# Altium PCB IRVT-001.PcbDoc (part 4 of 4)
Units mm, origin at the board's own origin, x right, y up, seen from the top; angles counter-clockwise.
Board outline 180 x 180 mm, 4 copper layers (Top Layer, Ground Plane, Power & Signal, Bottom Layer), stack 1.397 mm thick; 910 components, 520 nets, 2483 pads, 116 vias.
Unrouted connection lines stored in the file: 1841.
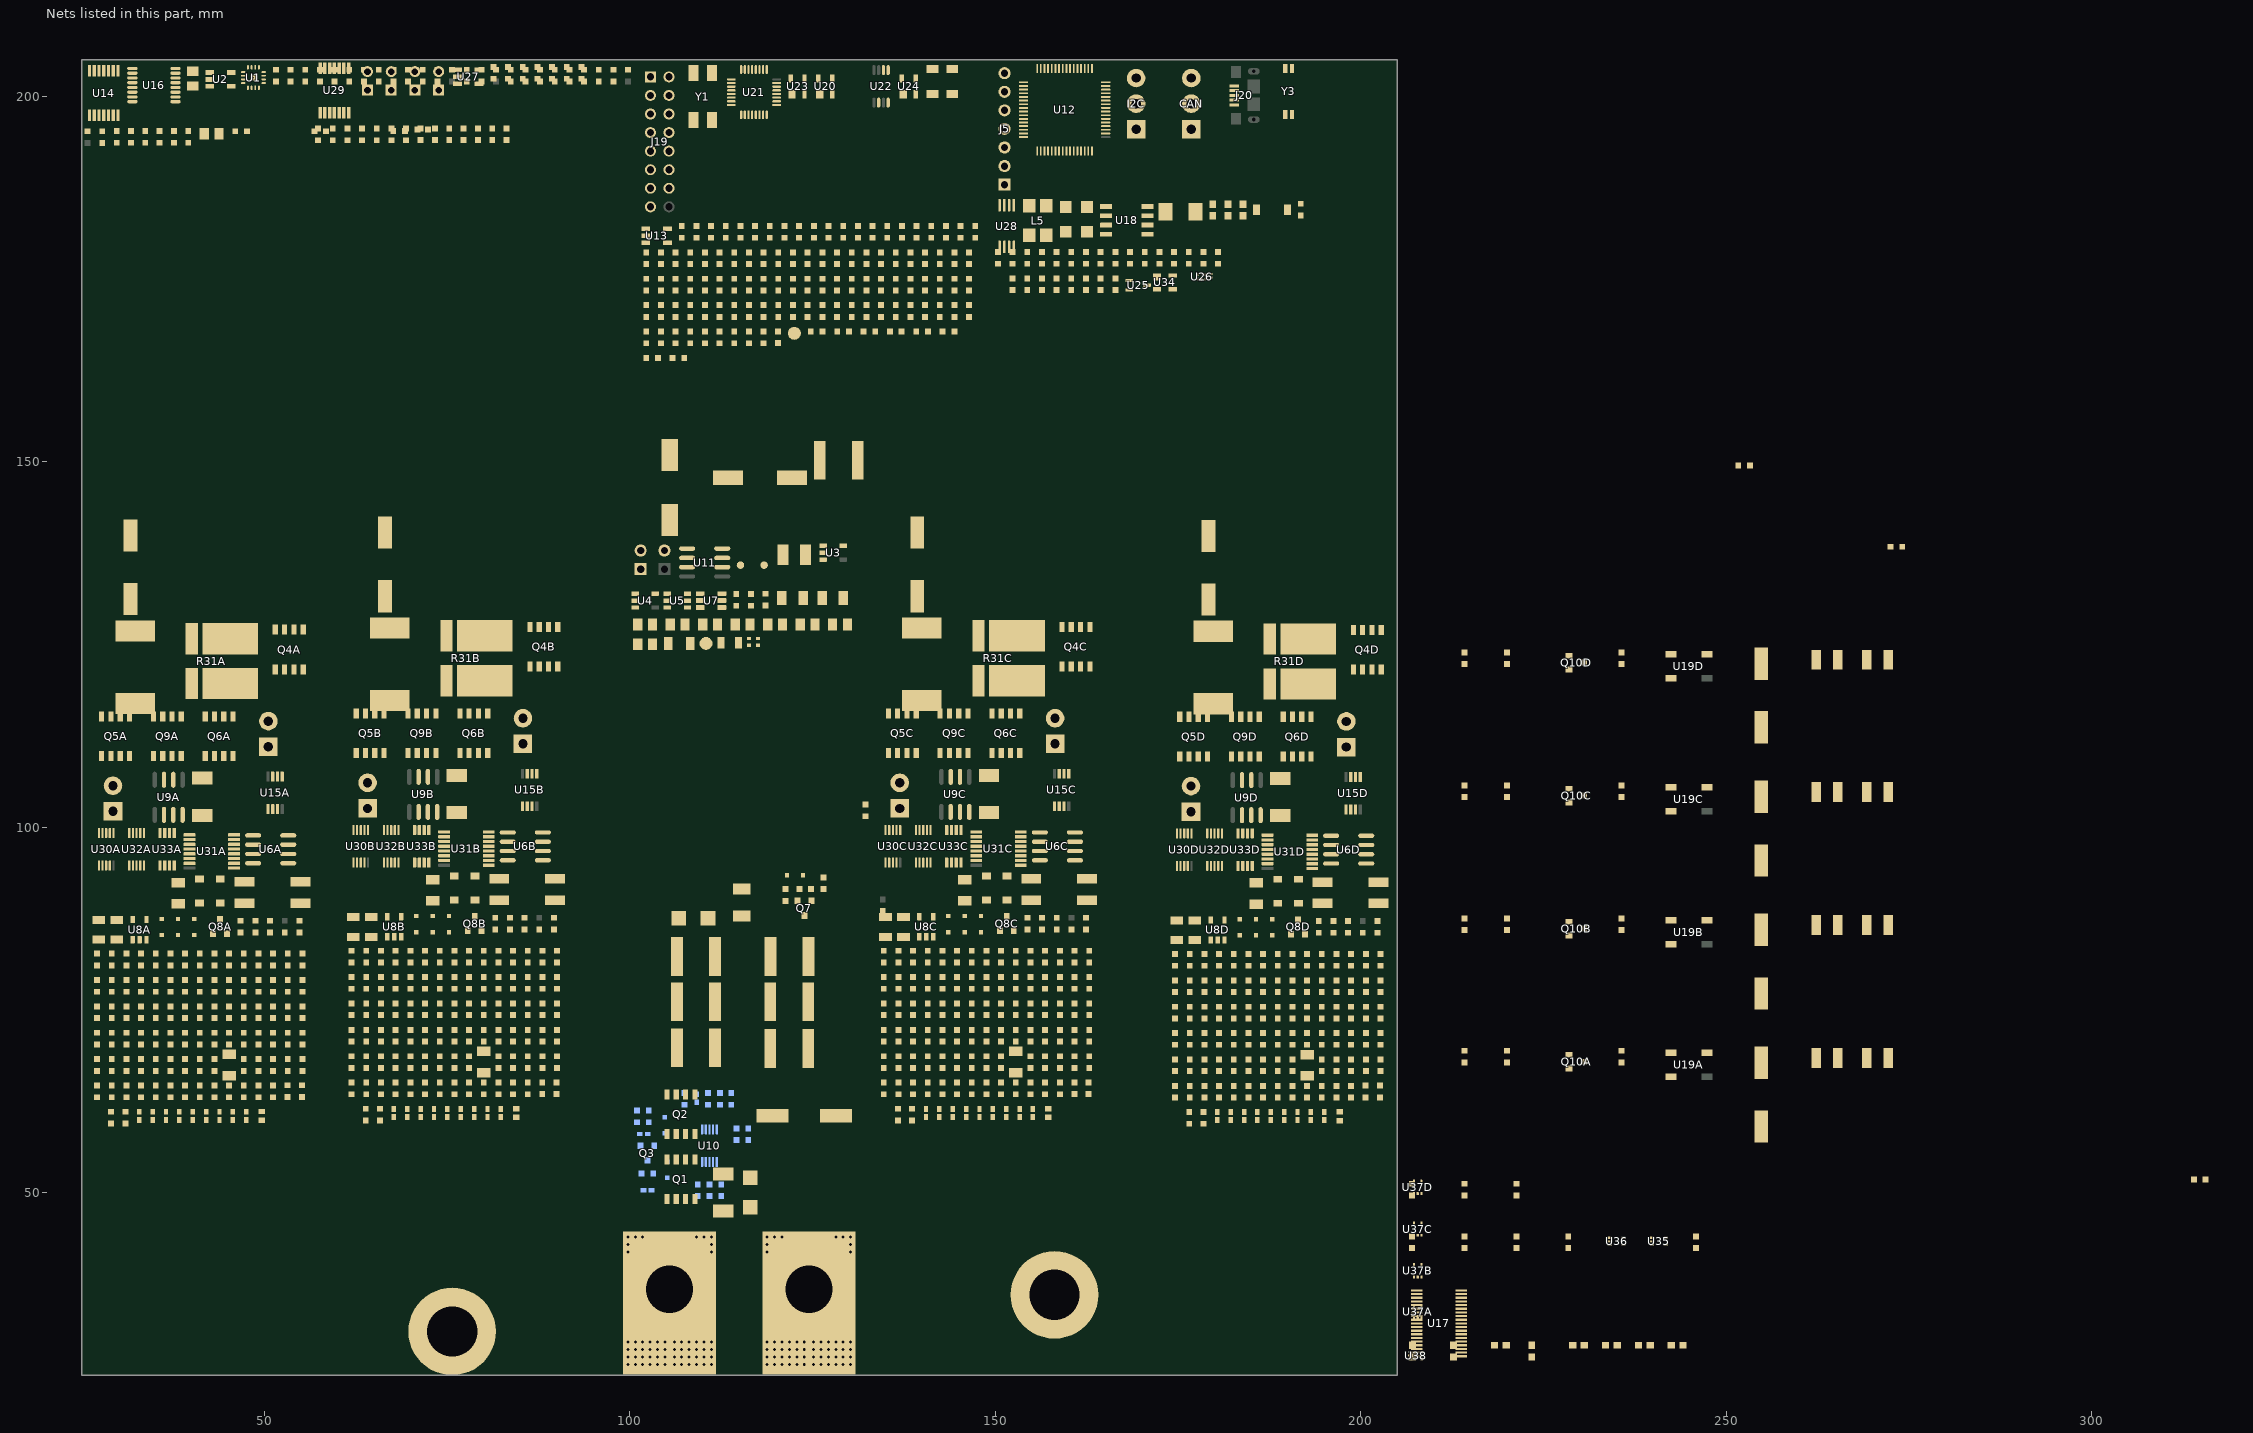
[diagram p5: the nets of this part, all layers, seen from the top]

## Part data (continued)
U11: "Fixed Regulator with 11.5 to 24 V Input and 9 V Output, 0 to 125 degC, 8-Pin SOIC (D), Green (RoHS & no Sb/Br)", Alternate Manufacturer="Texas Instruments", Alternate PartNumber=Equivalent, Supplier Part Number 1=296-11126-5-ND, Code_JEDEC=MS-012AA, ComponentLink1Description=Datasheet, ComponentLink1URL=http://www.ti.com/general/docs/lit/getliterature.tsp?genericPartNumber=UA78L09A&fileType=pdf, ComponentLink2Description="URL Link1", ComponentLink2URL="Samples URL:http://www.ti.com/product/ua78l09a#samples", DatasheetVersion=SLVS010S, Eco-Plan="Green (RoHS & no Sb/Br)", Iout(Max)(A)=0.1, Iq(Typ)(mA)=6, Manufacturer="Texas Instruments", MountType=SMT, PackageDescription="8-Pin Plastic Small Outline Integrated Circuit, 4.9 x 3.9 mm, Pitch 1.27 mm Pitch", PackageReference=D0008A, PackageVersion="revM, Jun-2011", PartNumber=UA78L09ACD, Supplier 1=Digi-Key, Supplier 2=Newark, Supplier 3=Mouser, Supplier Part Number 2=77C1871, Supplier Part Number 3=595-UA78L09ACD, Vdo(Typ)(V)=1.7, Vin(Max)(V)=24, Vin(Min)(V)=11.5, Vout(Max)(V)=9, Vout(Min)(V)=9
U12: library part CMP-0945-00002-2, "Tiva C Series Microcontroller, 256 KB Flash, 32 KB SRAM, 12 Bit, 12 Channels, -40 to 85 degC, 64-Pin LQFP (PM), Green (RoHS & no Sb/Br), Tape and Reel", Manufacturer="Texas Instruments", Temperature Range="-40 to 85 degC", ADC Channels=12, ADC Resolution="12 Bit", ComponentLink1Description="Manufacturer URL", ComponentLink1URL=http://www.ti.com/, ComponentLink2Description=Datasheet, ComponentLink2URL=http://www.ti.com/lit/ds/symlink/tm4c123gh6pm.pdf, ComponentLink3Description="Package Specification", ComponentLink3URL=http://www.ti.com/litv/pdf/mtqf008a, Data Memory="32 KB", DatasheetVersion="Rev. 15741.2722", GPIOs=43, I2C=2, Max Speed="80 MHz", Mounting Technology="Surface Mount", PackageDescription="64-Pin Plastic Quad Flatpack, Body 10 x 10 mm, Pitch 0.5 mm", PackageReference=PM0064A, PackageVersion=4040152/C, Packing="Tape and Reel", PartNumber=TM4C123GH6PMIR, Prefix="Qualified Device", Program Memory="256 KB", RoHS=TRUE, Tiva Series="Connected MCUs", UART=4
U14 U29: library part CMP-0272-04009-3, "550 uA/Ch, 3 MHz, Rail-to-Rail Output Operational Amplifier, 2.7 to 16 V, 0 to 70 degC, 14-pin SOP (PW14), Green (RoHS & no Sb/Br)", Manufacturer="Texas Instruments", Rating=Catalog, Total Supply Voltage(Max)(+5V is 5, +/-5V is 10)=16, Total Supply Voltage(Min)(+5V is 5, +/-5V is 10)=2.7, CMRR(Min)(dB)=69, Code_JEDEC=MO-153, ComponentLink1Description="Manufacturer URL", ComponentLink1URL=http://www.ti.com/, ComponentLink2Description=Datasheet, ComponentLink2URL=http://www.ti.com/lit/ds/symlink/tlv274.pdf, ComponentLink3Description="Package Specification", ComponentLink3URL=http://www.ti.com/litv/pdf/mpds360, DatasheetVersion=SLOS351D, Eco-Plan="Green (RoHS & no Sb/Br)", GBW(Typ)(MHz)=3, IIB(Max)(pA)=60, Iq per channel(Max)(mA)=0.55, Mounting Technology="Surface Mount", Number of Channels=4, Offset Drift(Typ)(uV/C)=2, PackageDescription="14-Pin Plastic Small Outline, Body 5 x 4.4 mm, Pitch 0.65 mm", PackageReference=PW0014A, PackageVersion="4040064-3/G, 02/2011", Packing=TUBE, PartNumber=TLV274CPW, Slew Rate(Typ)(V/us)=2.4, Sub Family="Low Supply Voltage Amplifier (<=2.7V), Precision Amplifier", Vio (25C)(Max)(mV)=5
U15A U15B U15C U15D U33A U33B U33C U33D: library part CMP-0272-01189-3, "0.1 uV/degC Drift, Low Noise, Rail-to-Rail Output, Zero-Drift Operational Amplifier, 4 to 36 V, -40 to 125 degC, 8-pin SOP (DGK8), Green (RoHS & no Sb/Br)", Manufacturer="Texas Instruments", Rating=Catalog, Total Supply Voltage(Max)(+5V is 5, +/-5V is 10)=36, Total Supply Voltage(Min)(+5V is 5, +/-5V is 10)=4, CMRR(Min)(dB)=104, Code_JEDEC=MO-187, ComponentLink1Description="Manufacturer URL", ComponentLink1URL=http://www.ti.com/, ComponentLink2Description=Datasheet, ComponentLink2URL=http://www.ti.com/lit/ds/symlink/opa2180.pdf, ComponentLink3Description="Package Specification", ComponentLink3URL=http://www.ti.com/litv/pdf/mpds028d, DatasheetVersion=SBOS584C, Eco-Plan="Green (RoHS & no Sb/Br)", GBW(Typ)(MHz)=2, IIB(Max)(pA)=1000, Iq per channel(Max)(mA)=0.525, Mounting Technology="Surface Mount", Number of Channels=2, Offset Drift(Typ)(uV/C)=0.1, PackageDescription="8-Pin Thin Small Outline, Body 3 x 3 mm, Pitch 0.65 mm", PackageReference=DGK0008A, PackageVersion="4073329/E, 05/2006", Packing="LARGE T&R", PartNumber=OPA2180IDGKR, Slew Rate(Typ)(V/us)=0.8, Sub Family="High Supply Voltage Amplifier (>=30V), Low Noise Amp (<=10nV/rtHz), Precision Amplifier, Zero Drift Precision Amplifier", Vio (25C)(Max)(mV)=0.075
U16: "No Description Available", Manufacturer="Texas Instruments", Copyright="Copyright (C) 2018 Accelerated Designs. All rights reserved", PartNumber=MUX36D04IPWR, RefDes=RefDes, Type=DEV
U17: library part CMP-0811-00089-2, "Very Low Power Quad Channel Rail-to-Rail Output Fully Differential Amplifier, 2.5 to 5.5 V, -40 to 85 degC, 38-pin SOP (DBT38), Green (RoHS & no Sb/Br)", Manufacturer="Texas Instruments", Offset Voltage Drift (+/-)(Max)(uV/Degrees Celsius=2, 2nd Harmonic(dBc)=85, 3rd Harmonic(dBc)=90, @ MHz=1, BW @ Acl(MHz)=135, Code_JEDEC=MO-153, ComponentLink1Description="Manufacturer URL", ComponentLink1URL=http://www.ti.com/, ComponentLink2Description=Datasheet, ComponentLink2URL=http://www.ti.com/general/docs/lit/getliterature.tsp?genericPartNumber=THS4524&fileType=pdf, ComponentLink3Description="Package Specification", ComponentLink3URL=http://www.ti.com/litv/pdf/mpds368, DatasheetVersion=SBOS458F, Eco-Plan="Green (RoHS & no Sb/Br)", Io(Typ)(mA)=35, Iq per channel(Max)(mA)=1.2, Mounting Technology="Surface Mount", Number of Channels=4, PackageDescription="38-Pin Plastic Small Outline, Body 9.7 x 4.4 mm, Pitch 0.5 mm", PackageReference=DBT0038A, PackageVersion="4073252-6/I, 03/2011", PartNumber=THS4524IDBT, Rail-Rail=Out, Slew Rate(Typ)(V/us)=420, SubFamily="Fully Differential Amplifier", Vio(Max)(mV)=2, Vn at Flatband(Typ)(nV/rtHz)=4.6, Vs(Max)(V)=5.5, Vs(Min)(V)=2.5
U18: library part CMP-0315-00038-2, "3.3V CAN Transceiver with Standby Mode, Loop-back, 6 mA, -40 to 125 degC, 8-pin SOIC (D), Green (RoHS & no Sb/Br)", Bus Fault Voltage(V)=+/-30, Drivers Per Package=1, Low Power Mode=Standby, Manufacturer="Texas Instruments", Rating=Catalog, Supply Voltage(s)(V)=3.3, Code_JEDEC=MS-012AA, ComponentLink1Description=Datasheet, ComponentLink1URL=http://www.ti.com/general/docs/lit/getliterature.tsp?genericPartNumber=SN65HVD233&fileType=pdf, DatasheetVersion=SLLS557F, Eco-Plan="Green (RoHS & no Sb/Br)", Features="Loop Back", ICC(Max)(mA)=6, Isolated=No, Mounting Technology="Surface Mount", PackageDescription="8-Pin Plastic Small Outline Integrated Circuit, 4.9 x 3.9 mm, Pitch 1.27 mm Pitch", PackageReference=D0008A, PackageVersion="revM, Jun-2011", PartNumber=SN65HVD233DR, Receivers Per Package=1, SubFamily=CAN, Transient Pulse Protection(V)="-100 to 100"
U19A U19B U19C U19D: library part CMP-2000-05026-1, "Intelligent Control LED Integrated Light Source, 3.5 to 5.3 V, -25 to 80 degC, 4-Pin SMD, RoHS, Tape and Reel", Color=Red,Green,Blue(RGB), Manufacturer=Adafruit-Industries-LLC, Package Description="4-Pin Surface Mount Device, Body 5 x 5 mm", Category=Optoelectronics, Configuration=Discrete, Controller Type=-, Datasheet URL=http://datasheet.octopart.com/ADA1655-Adafruit-Industries-datasheet-32028139.pdf, Datasheet Version=May-13, Family=Addressable,Specialty, Interface=-, Manufacturer URL=https://www.adafruit.com/, Mounting Type=SurfaceMount, Number of LEDs=10, Package Reference=1655, Series=Neopixel, Size / Dimension=5.00mmLx5.00mmW, Utilized LED=WS2812(5050)
U20 U23 U24 U34: "TVS DIODE 7V SOT143", Breakdown Voltage=85V, Case/Package=SOT-143, Clamping Voltage=7V, Leakage Current=1uA, Manufacturer=Bourns, Max Operating Temperature=150°C, Max Reverse Current=100nA, Max Surge Current=24A, Min Operating Temperature=-55°C, Package Quantity=1, Power Line Protection=No, Reverse Standoff Voltage=70V, Supplier Part Number 1=CD143A-SR70CT-ND, Test Current=50uA, Category="TVS Diodes", ComponentLink1Description=https://datasheet.ciiva.com/336/cd143a-sr70-336789.pdf?src-supplier=Digi-Key, ComponentLink1URL=https://datasheet.ciiva.com/336/cd143a-sr70-336789.pdf?src-supplier=Digi-Key, ComponentLink2Description=https://datasheet.ciiva.com/30478/0900766b8118997a-30478775.pdf?src-supplier=RSComponents, ComponentLink2URL=https://datasheet.ciiva.com/30478/0900766b8118997a-30478775.pdf?src-supplier=RSComponents, ComponentLink3Description=https://datasheet.ciiva.com/4509/cd143a-sr70-6316-4509754.pdf?src-supplier=Mouser, ComponentLink3URL=https://datasheet.ciiva.com/4509/cd143a-sr70-6316-4509754.pdf?src-supplier=Mouser, ComponentLink4Description=https://datasheet.ciiva.com/15143/getdatasheetpartid-137227-15143664.pdf?src-supplier=Verical, ComponentLink4URL=https://datasheet.ciiva.com/15143/getdatasheetpartid-137227-15143664.pdf?src-supplier=Verical, ComponentLink5Description=https://datasheet.ciiva.com/1276/1-1276625.pdf?src-supplier=Element14, ComponentLink5URL=https://datasheet.ciiva.com/1276/1-1276625.pdf?src-supplier=Element14, ComponentLink6Description=https://datasheet.ciiva.com/3021/cd143a-sr70-3021745.pdf?src-supplier=Avnet, ComponentLink6URL=https://datasheet.ciiva.com/3021/cd143a-sr70-3021745.pdf?src-supplier=Avnet, ComponentLink7Description=https://datasheet.ciiva.com/26787/cd143a-sr70-26787421.pdf?src-supplier=IIIC, ComponentLink7URL=https://datasheet.ciiva.com/26787/cd143a-sr70-26787421.pdf?src-supplier=IIIC, ComponentLink8Description=https://datasheet.ciiva.com/25955/cd143a-sr70-25955653.pdf?src-supplier=Avnet+Europe, ComponentLink8URL=https://datasheet.ciiva.com/25955/cd143a-sr70-25955653.pdf?src-supplier=Avnet+Europe, ComponentLink9Description=https://datasheet.ciiva.com/336/cd143a-sr70-336790.pdf?src-supplier=Digi-Key, ComponentLink9URL=https://datasheet.ciiva.com/336/cd143a-sr70-336790.pdf?src-supplier=Digi-Key, ComponentLink10Description=https://datasheet.ciiva.com/336/cd143a-sr70-336791.pdf?src-supplier=Digi-Key, ComponentLink10URL=https://datasheet.ciiva.com/336/cd143a-sr70-336791.pdf?src-supplier=Digi-Key, ComponentLink11Description=https://datasheet.ciiva.com/1281/1-1281183.pdf?src-supplier=Farnell, ComponentLink11URL=https://datasheet.ciiva.com/1281/1-1281183.pdf?src-supplier=Farnell, Contact Plating=Tin, Depth=1.39mm, Direction=Unidirectional, Element Configuration=Dual, ESD Protection=Yes, Height=1.14mm, Length=3.04mm, Manufacturer Part Number=CD143A-SR70, Max Breakdown Voltage=85V, Max Reverse Leakage Current=1uA, Min Breakdown Voltage=85V, Mount="Surface Mount", Number of Bidirectional Channels=2, Number of Channels=2, Number of Elements=2, Number of Pins=4, Packaging="Tape and Reel", Peak Pulse Current=24A, Polarity=Unidirectional, Pricing 1="1=0.91000, 10=0.81100, 100=0.57750, 500=0.48950, 1000=0.39875 (USD)", Radiation Hardening=No, REACH SVHC="No SVHC", Reverse Breakdown Voltage=85V, Reverse Recovery Time=4ns, RoHS=Yes, Stock 1=14865, Supplier 1=Digi-Key, Termination=SMD/SMT, Width=1.39mm, Working Voltage=70V
U21: library part ADS131A04, "24-Bit, 128kSPS, 4-Ch, Simultaneous Sampling, Delta-Sigma ADC, PBS0032A (TQFP-32)", Alternate Manufacturer="Texas Instruments", Alternate PartNumber=ADS131A04IPBS, ComponentLink1Description="Datasheet Link", ComponentLink1URL=http://www.ti.com/lit/ds/symlink/ads131a04.pdf, CompType=IC, LatestRevisionDate=2017-06-09, Manufacturer="Texas Instruments", MountType=SMT, PackageDescription=TQFP-32, PackageReference=PBS0032A, PartNumber=ADS131A04IPBSR, Publisher="Texas Instruments", RoHS=Y, SizeArea_mm2=49.0, SizeAreaWB_mm2=81.0, SizeX_mm=7.0, SizeY_mm=7.0, SizeZ_mm=1.2, U/M=EA
U22: library part CMP-0032584-1, "Low Noise, Very Low Drift, Precision Voltage Reference, -40 to 125 degC, 8-pin MSOP(DGK), Green (RoHS & no Sb/Br)", Manufacturer="Texas Instruments", PartNumber=REF5025IDGKR, Rating=Military, Temp Coeff(Max)(ppm/ degree C)=3, Code_JEDEC=MO-187, ComponentLink1Description="Manufacturer URL", ComponentLink1URL=http://www.ti.com/, ComponentLink2Description=Datasheet, ComponentLink2URL=http://www.ti.com/general/docs/lit/getliterature.tsp?genericPartNumber=REF5025&fileType=pdf, ComponentLink3Description="Package Specification", ComponentLink3URL=http://www.ti.com/litv/pdf/mpds028d, DatasheetVersion=SBOS410E, Eco-Plan="Green (RoHS & no Sb/Br)", Initial Accuracy @ 25/deg C(%)=0.05, Iout/Iz(Max)(mA)=10, Iq(Max)(uA)=1000, Mounting Technology="Surface Mount", PackageDescription="8-Pin Thin Small Outline Package 3 x 3 mm Body ,0.65 mm Pitch", PackageReference=DGK0008A, PackageVersion=4073329/E, SubFamily="Series Voltage Reference", VI(Max)(V)=18, VI(Min)(V)=2.7, VO(V)=2.5
U25: library part CMP-0326-00069-3, "ESD Protection Array for AC Signal Data Interface, 2 Channels, -40 to +85 degC, 3-pin SC70 (DCK), Green (RoHS & no Sb/Br)", Breakdown Voltage(Min)(V)=+/-14, IO Capacitance(Typ)(pF)=15, IO Leakage Current(nA)=50, Manufacturer="Texas Instruments", ComponentLink1Description="Manufacturer URL", ComponentLink1URL=http://www.ti.com/, ComponentLink2Description=Datasheet, ComponentLink2URL=http://www.ti.com/general/docs/lit/getliterature.tsp?genericPartNumber=TPD2E007&fileType=pdf, ComponentLink3Description="URL Link1", ComponentLink3URL=SamplesURL:http://www.ti.com/product/tpd2e007#samples, DatasheetVersion=SLVS796E, Eco-Plan="Green (RoHS & no Sb/Br)", IEC 61000-4-2 Air-Gap(+/- kV)=15, IEC 61000-4-2 Contact(+/- kV)=8, Mounting Technology="Surface Mount", PackageDescription="3-Pin Plastic Small-Outline Package, 0.65 mm Pitch, 2.1 mm Lead Span", PackageReference=DCK0003A, PackageVersion="revG, Jan-2007", PartNumber=TPD2E007DCKR, SubFamily="ESD Solution"
U26: library part CMP-0043122-2, "USB ESD Solution with Power Clamp, 4 Channels, -40 to +85 degC, 6-pin SON (DRY), Green (RoHS & no Sb/Br)", Breakdown Voltage(Min)(V)=6, IO Capacitance(Typ)(pF)=0.8, IO Leakage Current(nA)=10, Manufacturer="Texas Instruments", AEC Category=Q200, AEC Qualified=N, ComponentLink1Description="Datasheet Link", ComponentLink1URL=http://www.ti.com/lit/ds/symlink/tpd4s012.pdf, ComponentLink2Description="Product Folder", ComponentLink2URL=http://www.ti.com/product/tpd4s012, ComponentLink3Description="Online Datasheet", ComponentLink3URL=http://www.ti.com/product/tpd4s012/datasheet, CompType=IC, DatasheetVersion=SLVS928A, Eco-Plan="Green (RoHS & no Sb/Br)", IEC 61000-4-2 Air-Gap(+/- kV)=10, IEC 61000-4-2 Contact(+/- kV)=10, Mounting Technology="Surface Mount", MountType=SMT, PackageDescription=USON-6, PackageReference=DRY0006A, PackageVersion="revF, Dec-2011", PartNumber=TPD4S012DRYR, RoHS=Y, SizeArea_mm2=1.45, SizeAreaWB_mm2=4.9, SizeX_mm=1.0, SizeY_mm=1.45, SizeZ_mm=0.6, SubFamily="ESD Solution", USB High Speed=TRUE
U28: "256K I2C™ CMOS Serial EEPROM, TSSOP-8", Manufacturer=Microchip, Supplier Part Number 1=24AA256-I/ST-ND, ComponentLink1Description="Datasheet Link", ComponentLink1URL=http://www.microchip.com/mymicrochip/filehandler.aspx?ddocname=en011849, LatestRevisionDate=2015-10-26, MountType=SMT, PackageReference=TSSOP-8, PartNumber=24AA256-I/ST, Publisher="Texas Instruments", RoHS=Y, Supplier 1=Digi-Key, Supplier 2=Mouser, Supplier Part Number 2=579-24AA256-I/ST, SymbolCreator=a0411947, SymbolVersion=2008-03-07
U30A U30B U30C U30D: library part CMP-0063-01354-3, "100V Half-Bridge Gate Driver with Programmable Dead-Time, 10-pin MSOP, Pb-Free", Manufacturer="Texas Instruments", PackageTopMarking=ZXTT*5106, PowerWise=N, Code_JEDEC=MO-187-BA, ComponentLink1Description="Datasheet URL", ComponentLink1URL=http://www.ti.com/general/docs/lit/getliterature.tsp?genericPartNumber=LM5106&fileType=pdf, CompType=MiscPower, PackageDescription="Mini-SO, Molded, .118 x .118 x .034in Body, 10 Lead, .0197in Pitch", PackageReference=DGS0010A, PinCount=10, RoHS=Y
U31A U31B U31C U31D: library part CMP-0319-01218-2, "Pulse-Width-Modulation Control Circuit with Voltage Control, 45 % Duty Cycle, 0 to +70 degC, 16-pin TSSOP (PW), Green (RoHS & no Sb/Br)", Frequency(Max)(kHz)=300, Manufacturer="Texas Instruments", Rating=Catalog, Code_JEDEC=MO-153, ComponentLink1Description=Datasheet, ComponentLink1URL=http://www.ti.com/general/docs/lit/getliterature.tsp?genericPartNumber=TL594&fileType=pdf, Control Method=Voltage, DatasheetVersion=SLVS052G, Duty Cycle(Max)(%)=45, Eco-Plan="Green (RoHS & no Sb/Br)", Mounting Technology="Surface Mount", PackageDescription="16-Pin Plastic Thin Small Outline Package 5 x 4.4 mm Body ,0.65 mm Pitch", PackageReference=PW0016A, PackageVersion="revG, Feb-2011", PartNumber=TL594CPWR, Regulated Outputs(#)=2, SubFamily="PWM Controller", Topology="Boost, Flyback, Forward", UVLO Thresholds On/Off(V)=6.1/6
U35 U36: library part CMP-0326-00051-3, "Low-Capacitance Array with + / - 15 kV ESD Protection, 4 Channels, -40 to +85 degC, 5-pin SOT (DRL), Green (RoHS & no Sb/Br)", Breakdown Voltage(Min)(V)=6, IO Capacitance(Typ)(pF)=11, IO Leakage Current(nA)=100, Manufacturer="Texas Instruments", ComponentLink1Description="Manufacturer URL", ComponentLink1URL=http://www.ti.com/, ComponentLink2Description=Datasheet, ComponentLink2URL=http://www.ti.com/general/docs/lit/getliterature.tsp?genericPartNumber=TPD4E002&fileType=pdf, ComponentLink3Description="URL Link1", ComponentLink3URL=SamplesURL:http://www.ti.com/product/tpd4e002#samples, DatasheetVersion=SLVS615D, Eco-Plan="Green (RoHS & no Sb/Br)", IEC 61000-4-2 Air-Gap(+/- kV)=15, IEC 61000-4-2 Contact(+/- kV)=15, Mounting Technology="Surface Mount", PackageDescription="5-Pin Plastic Small Outline, Flat Lead 0.5 mm Pitch", PackageReference=DRL0005A, PackageVersion="revD, Aug-2007", PartNumber=TPD4E002DRL2, SubFamily="ESD Solution"
U37A U37B U37C U37D U38: library part CMP-0326-00053-3, "Low-Capacitance Array with + / - 15 kV ESD Protection, 4 Channels, -40 to +85 degC, 5-pin SOT (DRL), Green (RoHS & no Sb/Br)", Breakdown Voltage(Min)(V)=6, IO Capacitance(Typ)(pF)=11, IO Leakage Current(nA)=100, Manufacturer="Texas Instruments", ComponentLink1Description="Manufacturer URL", ComponentLink1URL=http://www.ti.com/, ComponentLink2Description=Datasheet, ComponentLink2URL=http://www.ti.com/general/docs/lit/getliterature.tsp?genericPartNumber=TPD4E002&fileType=pdf, ComponentLink3Description="URL Link1", ComponentLink3URL=SamplesURL:http://www.ti.com/product/tpd4e002#samples, DatasheetVersion=SLVS615D, Eco-Plan="Green (RoHS & no Sb/Br)", IEC 61000-4-2 Air-Gap(+/- kV)=15, IEC 61000-4-2 Contact(+/- kV)=15, Mounting Technology="Surface Mount", PackageDescription="5-Pin Plastic Small Outline, Flat Lead 0.5 mm Pitch", PackageReference=DRL0005A, PackageVersion="revD, Aug-2007", PartNumber=TPD4E002DRLR, SubFamily="ESD Solution"
V-5 VREF_ADC: library part PogoPad, "Pad for Pogo Pin Connector", CompType="Pogo Pad", LatestRevisionDate=2016-12-05, LatestRevisionNote="Added Alternate PartNumber and Alternate Manufacturer parameters to appropriate components.", PackageReference=N/A, Publisher="Texas Instruments", SymbolCreator=codlsc, SymbolVersion=2010-09-27
Y1: "Crystal, 16.384 MHz, 20 pF, SMD", Frequency Stability=+/-50ppm, Frequency_Fixed=16.384MHz, Manufacturer="CTS Electrocomponents", PartNumber=407F35E016M3840, Supplier Part Number 1=CTX682CT-ND, ComponentLink1Description="Datasheet Link", ComponentLink1URL=http://www.ctscorp.com/components/Datasheets/008-0261-0_G.pdf, CompType=Crystal, MountType=SMT, PackageReference="SMD, 4-Leads, Body 7.2x5.2mm", RoHS=Y, Supplier 1=Digi-Key, TaMax_C=70°C, TaMin_C=-20°C